# Altium PCB FRB_Simconex.PcbDoc
Units mil, origin at the board's own origin, x right, y up, seen from the top; angles counter-clockwise.
Board outline 4456.69 x 6944.88 mil, 2 copper layers (Top Layer, Bottom Layer); 101 components, 80 nets, 359 pads, 97 vias.
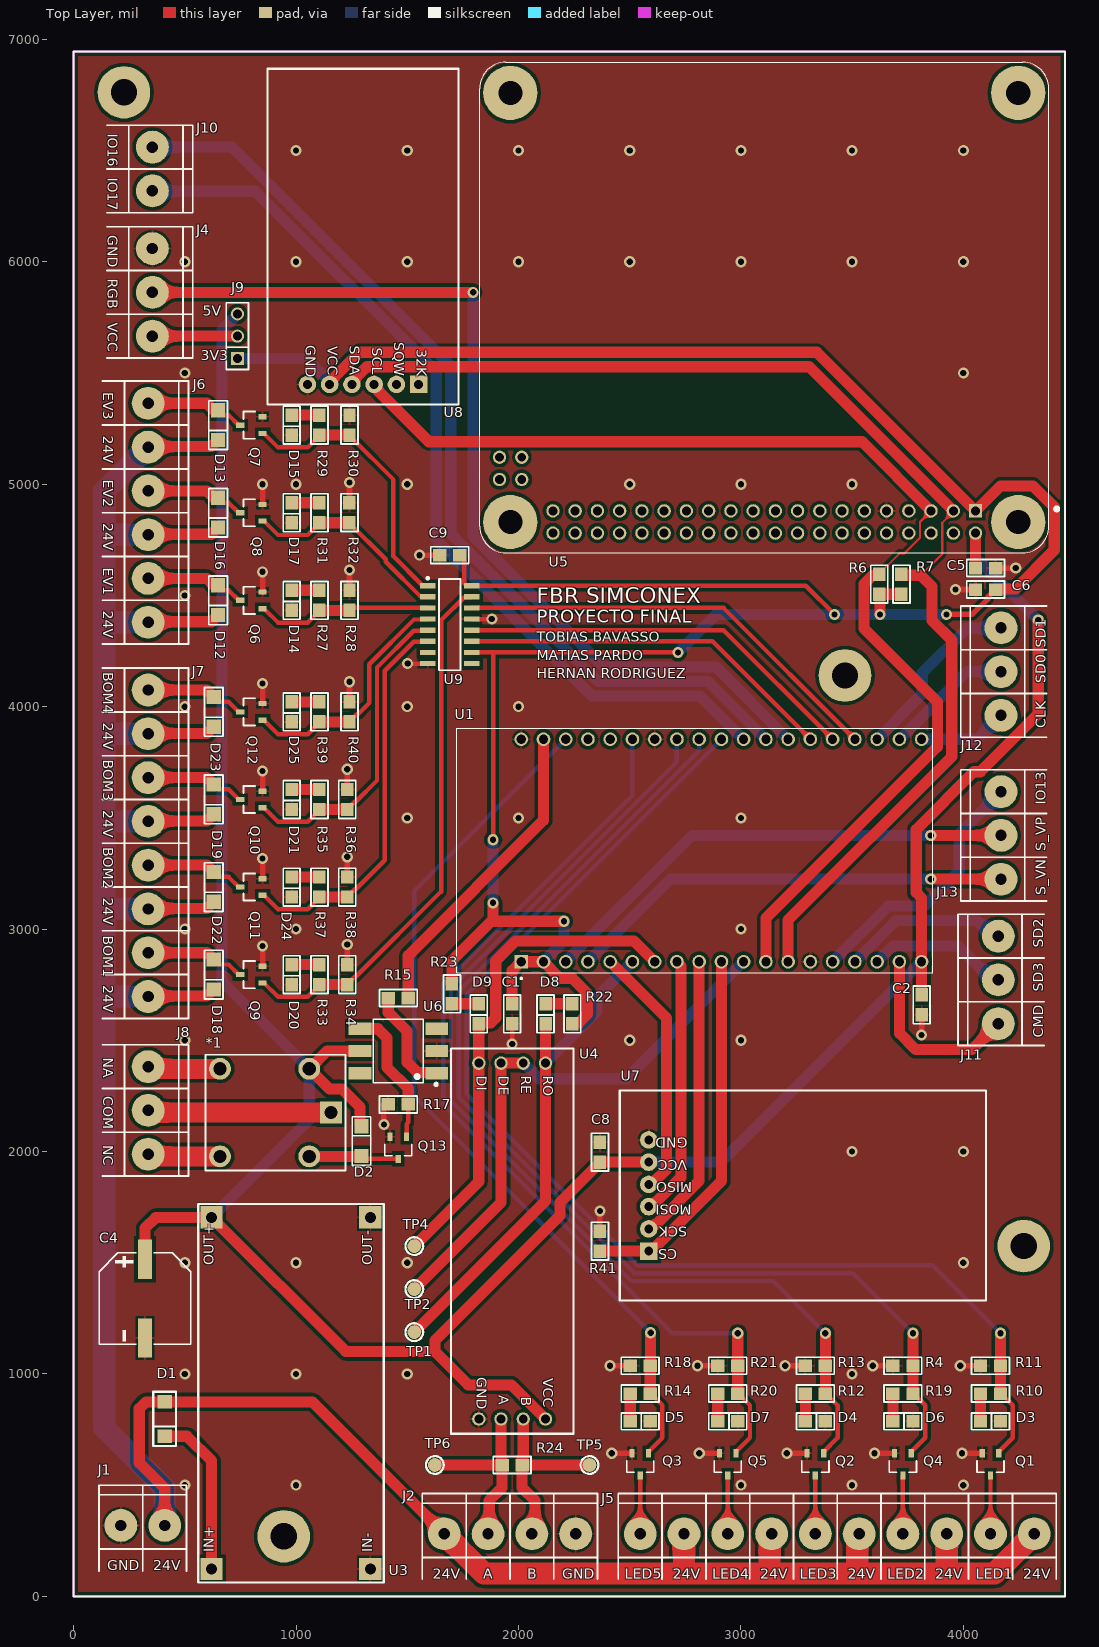
[diagram p0: Top Layer view]
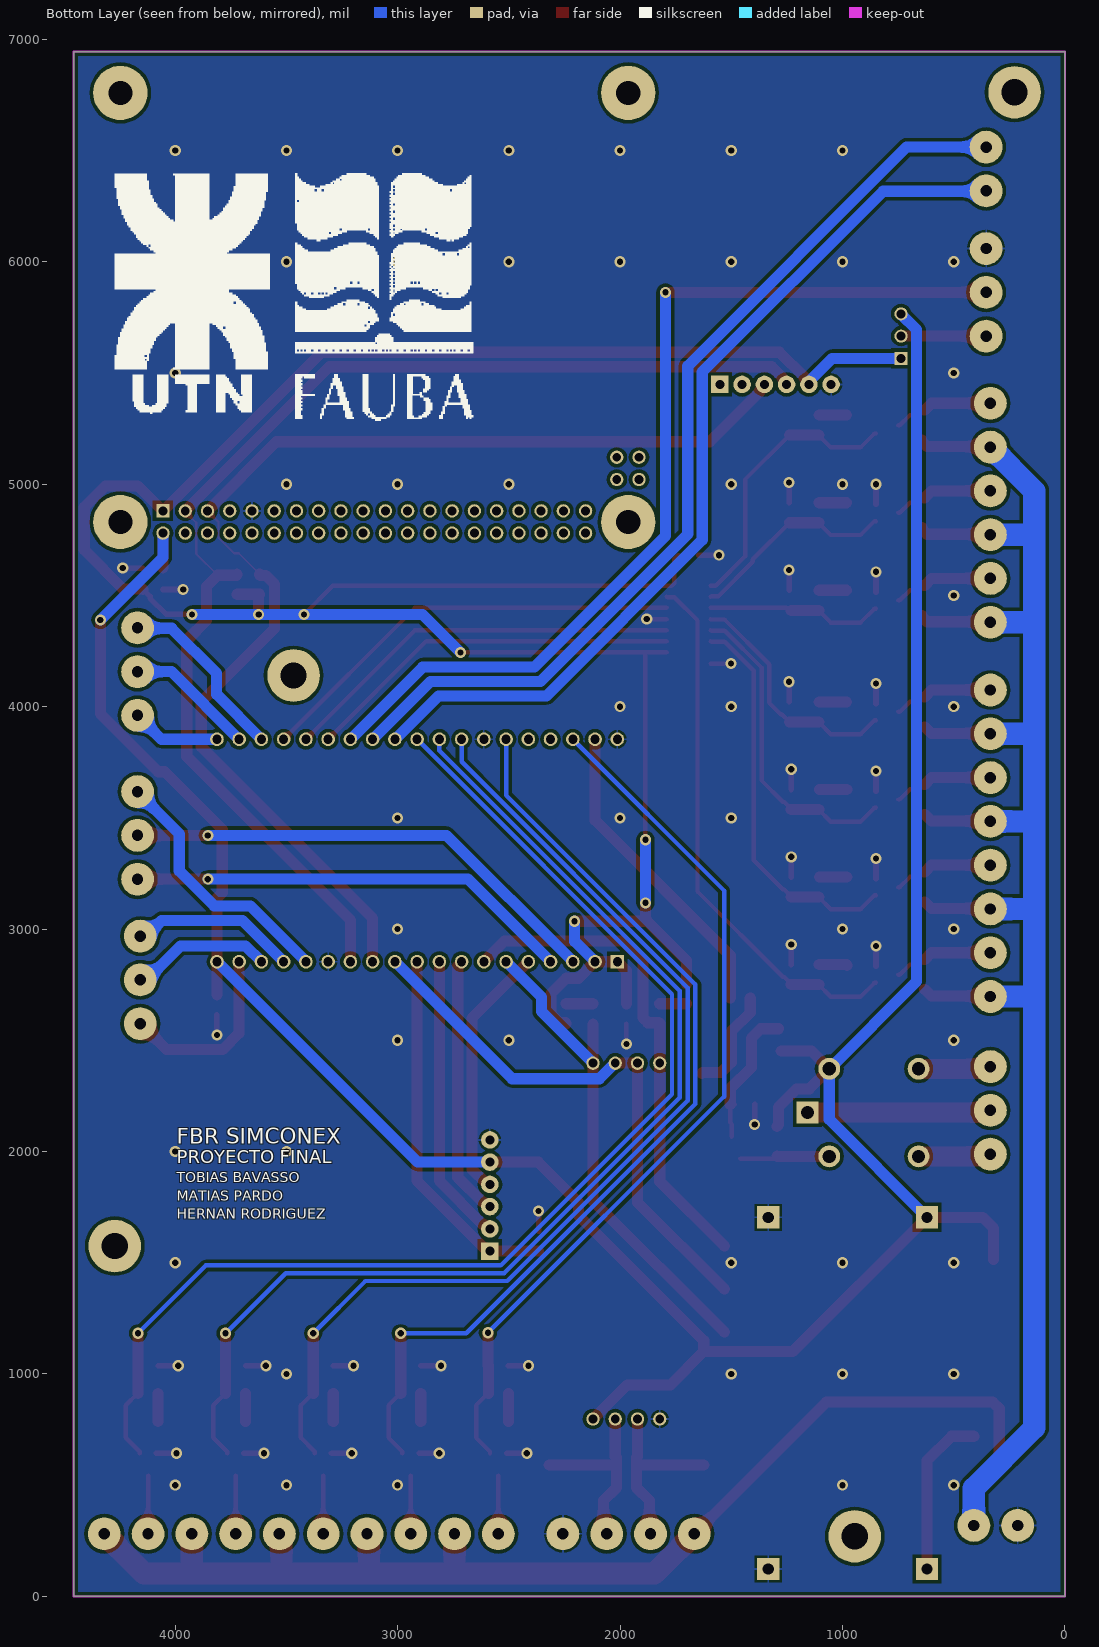
[diagram p1: Bottom Layer view, seen from below]

## Layer stack, top to bottom
Top Solder: solder mask 0.4, Solder Resist, Dk 3.5
Top Layer: signal copper 1.4
Dielectric 1: dielectric 12.6, FR-4, Dk 4.8
Bottom Layer: signal copper 1.4
Bottom Solder: solder mask 0.4, Solder Resist, Dk 3.5

## Board outline
0,0 0,6944.88 4456.69,6944.88 4456.69,0

## Design rules (kind name [scope] priority, off if disabled: settings)
Clearance [All] p1: gap=15 ignorepadtopadclearanceinfootprint=FALSE
PlaneConnect PlaneConnect_GND [InNet('GND') AND IsVia] p1: planeconnectstyle=Direct reliefexpansion=20 reliefentries=4 reliefconductorwidth=10 reliefairgap=10
PlaneConnect [All] p2: planeconnectstyle=Relief reliefexpansion=20 reliefentries=4 reliefconductorwidth=10 reliefairgap=10
PolygonConnect PolygonConnect_GND [InNet('GND') AND IsVia] p1: connectstyle=Direct reliefconductorwidth=10 reliefentries=4 polygonreliefangle="90 Angle" airgapwidth=10
PolygonConnect [All] p2: connectstyle=Relief reliefconductorwidth=10 reliefentries=4 polygonreliefangle="90 Angle" airgapwidth=10
RoutingVias [All] p1: holewidth=28 width=50 viastyle="Through Hole" minholewidth=28 minwidth=50 maxholewidth=28 maxwidth=50
SMDNeckDown [All] p1: percent=90.000
SMDToCorner [All] p1: distance=50000
SolderMaskExpansion [All] p1: expansion=4
Width [All] p1: maxlimit=200 minlimit=10 preferedwidth=50 minimp=50.000000 maximp=50.000000 favimp=50.000000
29 further rules are at their usual default settings.

## Classes and differential pairs
component class FRB_Simconex: C1 C2 J10 J11 J12 J13 R41 U1
component class Designator: D3 D4 D5 D6 D7 J4 J5 J9 Q1 Q2 Q3 Q4 Q5 R4 R10 R11 R12 R13 R14 R18 R19 R20 R21

## Components (designator, comment, footprint, x,y, rotation, side; value= is the part's Value field where it differs from the comment)
*1 "RELE SIMPLE" "RELE SERIE 964" 907.84,2175.05 r180 top
C1 "100nF" 0805 1971.6,2619.09 r270 top
C2 "100nF" 0805 3812.4,2659.45 r270 top
C4 "10uF" CAP.ELEC 321.01,1338.58 r270 top
C5 "100nF" 0805 4099.92,4623.03 r0 top
C6 "100nF" 0805 4099.92,4526.57 r180 top
C8 "100nF" 0805 2366.14,1997.17 r90 top
C9 "100nF" 0805 1690.94,4681.1 r180 top
D1 "6A10" DO214AC 409.46,797.24 r270 top
D2 "1N4148" 1206K 1294.29,2046.6 r90 top
D3 "LED" LED0805 4122.05,786.81 r0 top
D4 "LED" LED0805 3334.65,786.81 r0 top
D5 "LED" LED0805 2547.24,786.81 r0 top
D6 "LED" LED0805 3728.35,786.81 r0 top
D7 "LED" LED0805 2940.95,786.81 r0 top
D8 "LED" LED0805 2121.6,2619.09 r270 top
D9 "LED" LED0805 1821.6,2619.09 r270 top
D12 "1N4148" 1206K 649.33,4478.59 r270 top
D13 "1N4148" 1206K 649.33,5265.99 r270 top
D14 "LED" LED0805 980.32,4478.09 r270 top
D15 "LED" LED0805 980.32,5265.49 r270 top
D16 "1N4148" 1206K 649.33,4872.29 r270 top
D17 "LED" LED0805 980.32,4871.79 r270 top
D18 "1N4148" 1206K 630,2795.78 r270 top
D19 "1N4148" 1206K 630,3583.18 r270 top
D20 "LED" LED0805 980.32,2795.28 r270 top
D21 "LED" LED0805 980.32,3582.68 r270 top
D22 "1N4148" 1206K 630,3189.48 r270 top
D23 "1N4148" 1206K 630,3976.88 r270 top
D24 "LED" LED0805 980.32,3188.98 r270 top
D25 "LED" LED0805 980.32,3976.38 r270 top
J1 "BORNERA 2" BORNERA2 311.02,318.9 r270 top
J2 "BORNERA 4" BORNERA4 1961.61,281.26 r270 top
J4 "BORNERA 3" BORNERA3 354.33,5862.68 r180 top
J5 "BORNERA10" BORNERA10 3629.92,281.26 r270 top
J6 "BORNERA 6" BORNERA6 335,4872.44 r180 top
J7 "BORNERA 8" BORNERA8 335,3385.83 r180 top
J8 "BORNERA 3" BORNERA3 335,2185.04 r180 top
J9 "JUMPER" JUMPER3 736.65,5665.83 r90 top
J10 "BORNERA 2" BORNERA2 354.33,6417.32 r180 top
J11 "BORNERA 3" BORNERA3 4157.48,2771.65 r0 top
J12 "BORNERA 3" BORNERA3 4169.29,4157.48 r0 top
J13 "BORNERA 3" BORNERA3 4169.29,3421.26 r0 top
Q1 "UMW AO3400A" SOT23 4159.45,643.7 r180 top
Q2 "UMW AO3400A" SOT23 3372.05,643.7 r180 top
Q3 "UMW AO3400A" SOT23 2584.65,643.7 r180 top
Q4 "UMW AO3400A" SOT23 3765.75,643.7 r180 top
Q5 "UMW AO3400A" SOT23 2978.35,643.7 r180 top
Q6 "UMW AO3400A" SOT23 849.41,4440.69 r90 top
Q7 "UMW AO3400A" SOT23 849.41,5228.09 r90 top
Q8 "UMW AO3400A" SOT23 849.41,4834.39 r90 top
Q9 "UMW AO3400A" SOT23 849.41,2757.87 r90 top
Q10 "UMW AO3400A" SOT23 849.41,3545.28 r90 top
Q11 "UMW AO3400A" SOT23 849.41,3151.57 r90 top
Q12 "UMW AO3400A" SOT23 849.41,3938.98 r90 top
Q13 "UMW AO3400A" SOT23 1497.05,2066.93 r180 top
R4 "10k" 0805 3728.35,1036.81 r0 top
R6 "47k" 0805 3621.85,4550.44 r270 top
R7 "47k" 0805 3721.85,4550.44 r270 top
R10 "2k2" 0805 4122.05,911.81 r0 top
R11 "10k" 0805 4122.05,1036.81 r0 top
R12 "2k2" 0805 3334.65,911.81 r0 top
R13 "10k" 0805 3334.65,1036.81 r0 top
R14 "2k2" 0805 2547.24,911.81 r0 top
R15 "220" 0805 1459.65,2689.96 r180 top
R17 "10k" 0805 1459.65,2211.61 r0 top
R18 "10k" 0805 2547.24,1036.81 r0 top
R19 "2k2" 0805 3728.35,911.81 r0 top
R20 "2k2" 0805 2940.95,911.81 r0 top
R21 "10k" 0805 2940.95,1036.81 r0 top
R22 "1k" 0805 2242.42,2619.09 r270 top
R23 "1k" 0805 1700.79,2709.09 r90 top
R24 "120" 0805 1971.6,590.55 r0 top
R27 "2k2" 0805 1105.32,4478.09 r270 top
R28 "10k" 0805 1240.25,4478.09 r270 top
R29 "2k2" 0805 1105.32,5265.49 r270 top
R30 "10k" 0805 1240.25,5265.49 r270 top
R31 "2k2" 0805 1105.32,4871.79 r270 top
R32 "10k" 0805 1240.16,4872.05 r270 top
R33 "2k2" 0805 1105.32,2795.28 r270 top
R34 "10k" 0805 1230.32,2795.28 r270 top
R35 "2k2" 0805 1105.32,3582.68 r270 top
R36 "10k" 0805 1230.32,3582.68 r270 top
R37 "2k2" 0805 1105.32,3188.98 r270 top
R38 "10k" 0805 1230.32,3188.98 r270 top
R39 "2k2" 0805 1105.32,3976.38 r270 top
R40 "10k" 0805 1240.25,3976.38 r270 top
R41 "0R" 0805 2366.14,1597.17 r270 top
TP1 "TP" TPSMD 1531.5,1187.99 r0 top
TP2 "TP" TPSMD 1531.5,1381.4 r0 top
TP4 "TP" TPSMD 1531.5,1574.8 r0 top
TP5 "TP" TPSMD 2319.19,590.55 r180 top
TP6 "TP" TPSMD 1624.02,590.55 r0 top
U1 "ESP32" ESP32 2790.35,3353.35 r90 top
U3 "LM2596" "LM2596 DC TO DC CONVERTER MODULE" 977.05,913.5 r90 top
U4 "RS485-TTL CONVERTER" "TTL-RS485 CONVERTER" 1971.6,1597.24 r270 top
U5 "WHITEBOX T3" "Whitebox T3 for Raspberry Pi" 3080.71,5769.69 r180 top
U6 "4N25" SMD6 1459.65,2451.87 r180 top
U7 "SD CARD READER" "SD CARD" 2585.63,1802.17 r180 top
U8 "RTC" DS3231 1301.18,5448.82 r270 top
U9 "74HC595" SOIC16N 1690.94,4368.7 r0 top

## Footprints (in the part's own frame and the unit in brackets; to place one, negate y for a bottom-side part, rotate by r counter-clockwise, add the part's x,y. Pads: shape width x height; smd on the part's side, far side on the other; paste and mask are expansions set on the pad)
0805 [mil] "Pasivo 0805"
  rect 60x56 smd: 1(-45,0) 2(45,0)
  silkscreen extent -85,-38 85,38, body extent -40,-25 39,25, height 15
1206K [mil] "1206 con Katodo"
  rect 64x64 smd: 1(-67,0) 2(67,0)
  silkscreen extent -109,-42 110,42, body extent -72,-31 74,32, height 63
BORNERA2 [mm] "Bornera con Tornillos 5mm separación"
  round 3.75 hole 1.3: 1(0,2.5) 2(0,-2.5)
  silkscreen extent -4.6,-5 5.2,5, body extent -3.76,-4.89 3.94,5.61, height 10
BORNERA3 [mm] "Bornera con Tornillos 5mm separación"
  round 3.75 hole 1.3: 1(0,5) 2(0,0) 3(0,-5)
  silkscreen extent -4.6,-7.5 5.2,7.5, body extent -3.76,-7.39 3.94,8.11, height 10.05
BORNERA4 [mm] "Bornera con Tornillos 5mm separación"
  round 3.75 hole 1.3: 1(0,7.5) 2(0,2.5) 3(0,-2.5) 4(0,-7.5)
  silkscreen extent -4.6,-10 5.2,10, body extent -3.76,-9.89 3.94,10.61, height 10
BORNERA6 [mm] "Bornera con Tornillos 5mm separación"
  round 3.75 hole 1.3: 1(0,12.517) 2(0,7.517) 3(0,2.516) 4(0,-2.484) 5(0,-7.484) 6(0,-12.484)
  silkscreen extent -4.6,-15.02 5.2,15.02, body extent -3.76,-14.86 3.94,15.62, height 10.05
BORNERA8 [mm] "Bornera con Tornillos 5mm separación"
  round 3.75 hole 1.3: 1(0,17.5) 2(0,12.5) 3(0,7.5) 4(0,2.5) 5(0,-2.5) 6(0,-7.5) 7(0,-12.5) 8(0,-17.5)
  silkscreen extent -4.6,-20 5.2,20, body extent -3.76,-19.89 3.94,20.61, height 10
BORNERA10 [mm] "Bornera con Tornillos 5mm separación"
  round 3.75 hole 1.3: 1(0,17.5) 2(0,12.5) 3(0,7.5) 4(0,2.5) 5(0,-2.5) 6(0,-7.5) 7(0,-12.5) 8(0,-17.5) 9(0,-22.5) 10(0,-27.5)
  silkscreen extent -4.6,-30 5.2,20, body extent -3.76,-29.89 3.94,20.61, height 10
CAP.ELEC [mm]
  rect 4.5x1.65 smd: 1(-4.5,0) 2(4.5,0)
  silkscreen extent -5.23,-5.23 5.23,5.23, body extent -5.87,-5.15 5.72,5.15, height 10.9
DO214AC [mm]
  rect 1.52x1.68 smd: 1(-1.965,0) 2(1.965,0)
  silkscreen extent -3.11,-1.3 3.08,1.3, body extent -2.62,-1.3 2.58,1.3, height 1.15
DS3231 [mm]
  rect 2x2 / inner round 2 / far side rect 2x2 hole 1.02: 1(0,6.35)
  round 2 hole 1.02: 2(0,3.81) 3(0,1.27) 4(0,-1.27) 5(0,-3.81) 6(0,-6.35)
  silkscreen extent -36.04,-10.9 2.3,10.9, body extent -36.04,-10.9 2.3,10.9, height 9.63
ESP32 [mm]
  rect 1.56x1.56 / inner round 1.56 / far side rect 1.56x1.56 hole 1.04: J2-1(-12.7,19.76)
  round 1.56 hole 1.04: J2-2(-12.7,17.22) J2-3(-12.7,14.68) J2-4(-12.7,12.14) J2-5(-12.7,9.6) J2-6(-12.7,7.06) J2-7(-12.7,4.52) J2-8(-12.7,1.98) J2-9(-12.7,-0.56) J2-10(-12.7,-3.1) J2-11(-12.7,-5.64) J2-12(-12.7,-8.18) J2-13(-12.7,-10.72) J2-14(-12.7,-13.26) J2-15(-12.7,-15.8) J2-16(-12.7,-18.34) J2-17(-12.7,-20.88) J2-18(-12.7,-23.42) J2-19(-12.7,-25.96) J3-1(12.7,19.76) J3-2(12.7,17.22) J3-3(12.7,14.68) J3-4(12.7,12.14) J3-5(12.7,9.6) J3-6(12.7,7.06) J3-7(12.7,4.52) J3-8(12.7,1.98) J3-9(12.7,-0.56) J3-10(12.7,-3.1) J3-11(12.7,-5.64) J3-12(12.7,-8.18) J3-13(12.7,-10.72) J3-14(12.7,-13.26) J3-15(12.7,-15.8) J3-16(12.7,-18.34) J3-17(12.7,-20.88) J3-18(12.7,-23.42) J3-19(12.7,-25.96)
  silkscreen extent -14.7,-27.25 13.95,27.15, body extent -13.97,-27.9 13.97,27.2, height 6.69
JUMPER3 [mm]
  rect 1.5x1.5 hole 1.016: 1(-2.54,0)
  round 1.5 hole 1.016: 2(0,0) 3(2.54,0)
  silkscreen extent -3.81,-1.27 3.81,1.27, body extent -3.81,-1.3 3.81,1.27, height 16.15
LED0805 [mil] "LED SMD 0805"
  rect 60x56 smd: 1(-45,0) 2(45,0)
  silkscreen extent -85,-38 85,38, body extent -41,-18 41,18, height 33
"LM2596 DC TO DC CONVERTER MODULE" [mil]
  rect 100x100 hole 50: 0(-790.5,357) 1(-790.5,-357) 2(790.5,-357) 3(790.5,357)
  silkscreen extent -850,-417 851,417, body extent -850,-417 850,420, height 526
"RELE SERIE 964" [mm]
  round 2.5 hole 1.5: B1(-3.85,-5) B2(-3.85,5) NA1(6.35,-5) NC1(6.35,5)
  rect 2.5x2.5 hole 1.5: C1(-6.35,0)
  silkscreen extent -7.99,-6.6 7.99,6.6, body extent -7.85,-6.1 7.85,6.2, height 13.66
"SD CARD" [mm]
  rect 2x2 / inner round 2 / far side rect 2x2 hole 1.02: 1(0,6.35)
  round 2 hole 1.02: 2(0,3.81) 3(0,1.27) 4(0,-1.27) 5(0,-3.81) 6(0,-6.35)
  silkscreen extent -38.5,-12 3.3,12, body extent -38.5,-12 3.3,12, height 5.6
SMD6 [mil]
  rect 102.36x56 smd: 1(-172.44,100) 2(-172.44,0) 3(-172.44,-100) 4(172.44,-100) 5(172.44,0) 6(172.44,100)
  silkscreen extent -176,-144 112,156, body extent -206,-154 206,154, height 181
SOIC16N [mm]
  rect 1.75x0.6 smd: 1(-2.5,4.445) 2(-2.5,3.175) 3(-2.5,1.905) 4(-2.5,0.635) 5(-2.5,-0.635) 6(-2.5,-1.905) 7(-2.5,-3.175) 8(-2.5,-4.445) 9(2.5,-4.445) 10(2.5,-3.175) 11(2.5,-1.905) 12(2.5,-0.635) 13(2.5,0.635) 14(2.5,1.905) 15(2.5,3.175) 16(2.5,4.445)
  silkscreen extent -2.62,-5.2 1.22,5.42, body extent -2.92,-4.9 2.88,4.9, height 1.75
SOT23 [mm]
  rect 0.6x0.95 smd: 1(0,0) 2(0.95,2.55) 3(1.9,0)
  silkscreen extent -0.6,0.87 2.5,2.17, body extent -0.53,-0.25 2.47,2.88, height 1
TPSMD [mil]
  round 62 smd: 1(0,0)
  silkscreen extent -40,-40 40,40
"TTL-RS485 CONVERTER" [mil]
  round 60 hole 40: 0(-800,-150) 1(-800,-50) 2(-800,50) 3(-800,150) 4(800,150) 5(800,50) 6(800,-50) 7(800,-150)
  silkscreen extent -866,-276 866,276, body extent -868,-276 864,276, height 533
"Whitebox T3 for Raspberry Pi" [mil]
  rect 60x60 / inner round 60 / far side rect 60x60 hole 40: 1(-974.21,889.57)
  round 60 hole 40: 2(-974.21,989.57) 3(-874.21,889.57) 4(-874.21,989.57) 5(-774.21,889.57) 6(-774.21,989.57) 7(-674.21,889.57) 8(-674.21,989.57) 9(-574.21,889.57) 10(-574.21,989.57) 11(-474.21,889.57) 12(-474.21,989.57) 13(-374.21,889.57) 14(-374.21,989.57) 15(-274.21,889.57) 16(-274.21,989.57) 17(-174.21,889.57) 18(-174.21,989.57) 19(-74.21,889.57) 20(-74.21,989.57) 21(25.79,889.57) 22(25.79,989.57) 23(125.79,889.57) 24(125.79,989.57) 25(225.79,889.57) 26(225.79,989.57) 27(325.79,889.57) 28(325.79,989.57) 29(425.79,889.57) 30(425.79,989.57) 31(525.79,889.57) 32(525.79,989.57) 33(625.79,889.57) 34(625.79,989.57) 35(725.79,889.57) 36(725.79,989.57) 37(825.79,889.57) 38(825.79,989.57) 39(925.79,889.57) 40(925.79,989.57) 41(1165.95,648.5) 42(1165.95,748.5) 43(1065.95,648.5) 44(1065.95,748.5)
  round 244.09 hole 108.27: S1(-1165.94,939.57) S2(1117.52,939.57) S3(1117.52,-989.57) S4(-1165.94,-989.57)
  silkscreen extent -1347,-1127 1255,1077, body extent -1301,-1410 1258,1080, height 917

## Part data
C1 C2 C5 C6 C8 C9: library part CAP
C4: library part CAPPOL
D1 D2 D12 D13 D16 D18 D19 D22 D23: library part DIODO
J9: library part JUMPER3
Q1 Q2 Q3 Q4 Q5 Q6 Q7 Q8 Q9 Q10 Q11 Q12 Q13: library part "MOSFET N"
R4 R6 R7 R10 R11 R12 R13 R14 R15 R17 R18 R19 R20 R21 R22 R23 R24 R27 R28 R29 R30 R31 R32 R33 R34 R35 R36 R37 R38 R39 R40 R41: library part RES
U5: library part "WHITEBOX T3 FOR RASPBERRY PI"
U7: library part SD_CARD
U8: library part DS3231

## Free pads (board coordinates)
  round 236.22 hole 118.11: 9(226.38,6761.81) 9(944.88,269.84) 9(3467.87,4140.07) 9(4271.65,1574.8)

## Via types
v1: diameter 50, hole 28, Top Layer to Bottom Layer, tented both sides, 50 vias
v2: diameter 50, hole 28, Top Layer to Bottom Layer, 47 vias

## Nets (pads, with @x,y where several pads share a name; then routed paths per layer and width w, separated by ;. In a path a pad name is that pad's centre, name@x,y a point inside that pad or via, vN(x,y) a via of type N, cw(c..) or ccw(c..) an arc to the next point about the centre after c; other vN are vias at no path point)
3V3: C1.1 C6.1 C9.1 J9.1 R6.2 R7.2 R22.2 R23.2 U1.J2-1 U1.J2-2 U5.1 U8.5 U9.10 U9.16 | length 12092.1
  Top Layer w20: C9.1 1737.94,4681.1 1755.94,4663.1 1755.94,4554.49 1766.73,4543.7 3292.08,4543.7 v2(3421.26,4414.52) ; U9.10 1885.83,4243.7 ; v2(1885.83,3401.57) 1885.83,4243.7 ; v2(2716.93,4243.7) 1885.83,4243.7
  Top Layer w25: v2(3924.06,4414.52) 4039.76,4414.52 4112.42,4487.18 4112.42,4496.07 4142.92,4526.57 C6.1
  Top Layer w50: U8.5 1151.18,5456.6 1171.81,5477.23 1171.81,5481.69 1283.3,5593.19 3341.85,5593.19 U5.1 4166.97,4992.17 4313.78,4992.17 4408.7,4897.24 4408.7,4704.16 4234.12,4529.57 4147.92,4529.57 C6.1 ; R23.2 1701.61,2754.92 1701.61,2859.09 1877.95,3035.43 ; v2(1885.83,3118.11) 1885.83,3043.31 1877.95,3035.43 ; C1.1 1971.6,2812.55 U1.J2-1 U1.J2-2 2186.84,2778.91 2242.18,2778.91 2310.42,2710.66 2310.42,2617.53 2271.99,2579.09 2245.42,2579.09 2242.42,2576.09 R22.2 ; v2(2204.42,3035.43) 1877.95,3035.43 ; v2(3624.85,4414.52) 3624.85,4502.44 R6.2 R7.2
  Bottom Layer w50: J9.1 1046.42,5565.83 1145.68,5466.56 1145.68,5454.32 U8.5 ; v2(1885.83,3118.11) v2(1885.83,3401.57) ; U1.J2-2 2204.42,2945.37 v2(2204.42,3035.43) ; v2(2716.93,4243.7) 2887.75,4414.52 v2(3924.06,4414.52)
5V: *1.B1 C2.1 C4.1 C5.1 C8.1 D2.2 J9.3 U1.J2-19 U3.3 U4.4 U5.2 U6.5 U7.5 | length 12992.2
  Top Layer w50: C4.1 321.01,1655.66 369.36,1704 U3.3 1223.66,1100.39 1624.02,1100.39 ; U6.5@1276.08,2451.87 1139.38,2451.87 *1.B1 1149.7,2281.61 1206.27,2281.61 1287.29,2200.59 1287.29,2120.6 D2.2 ; U4.4 1968.65,950.2 1774.21,950.2 1624.02,1100.39 ; U7.5 C8.1 2366.14,1950.17 2186.6,1770.63 2186.6,1712.98 1624.02,1150.39 1624.02,1100.39 ; C2.1 U1.J2-19 3812.4,3140.28 3788.35,3164.34 3788.35,3448.18 4047.75,3707.59 4077.21,3707.59 4336.61,3966.99 v2(4336.61,4389.76) ; C5.1 U5.2
  Bottom Layer w50: U3.3 1059.41,2143.37 *1.B1 667.13,2764.18 667.13,5694.63 736.65,5764.15 J9.3 ; U7.5 2911.22,1952.17 U1.J2-19 ; U5.2 4054.92,4671.46 v2(4336.61,4389.76)
24V: D1.2 U3.0 | length 743.3
  Top Layer w50: D1.2 510.43,719.88 620.05,610.27 U3.0
ACAL: Q11.1 R37.2 R38.2 U9.6 | length 1769.7
  Top Layer w20: Q11.1 856.3,3151.57 918.9,3088.98 1052.32,3088.98 1105.32,3141.98 R37.2 ; R38.2 1230.32,3145.98 1263.32,3178.98 1268.67,3178.98 1398.97,3309.27 1398.97,4161.59 1529.27,4291.89 1590.71,4291.89 U9.6
  Top Layer w50: R37.2 R38.2
AFRI: Q9.1 R33.2 R34.2 U9.15 | length 2427.4
  Top Layer w20: Q9.1 856.3,2757.87 918.9,2695.28 1052.31,2695.28 1105.32,2748.28 R33.2 ; R34.2 1230.32,2752.28 1263.32,2785.28 1268.67,2785.28 1651.97,3168.57 1651.97,4387.91 1755.94,4491.89 1787.56,4491.89 U9.15
  Top Layer w50: R33.2 R34.2
AIRE: R15.1 U1.J3-2 | length 1415.1
  Top Layer w50: R15.1 1504.65,2881.61 2112.4,3489.37 U1.J3-2
ALIM: Q10.1 R35.2 R36.2 U9.5 | length 1425.7
  Top Layer w20: Q10.1 856.3,3545.28 918.9,3482.68 1052.32,3482.68 1105.32,3535.68 R35.2 ; R36.2 1230.32,3539.68 1263.32,3572.68 1268.67,3572.68 1363.97,3667.98 1363.97,4176.09 1529.77,4341.89 1590.71,4341.89 U9.5
  Top Layer w50: R35.2 R36.2
ASUC: Q12.1 R39.2 R40.2 U9.4 | length 1086.3
  Top Layer w20: Q12.1 856.3,3938.98 918.9,3876.38 1052.32,3876.38 1105.32,3929.38 R39.2 ; R40.2@1237.25,3931.38 1238.25,3931.38 1273.25,3966.38 1278.61,3966.38 1328.97,4016.74 1328.97,4190.59 1530.27,4391.89 1590.71,4391.89 U9.4
  Top Layer w50: R39.2 R40.2@1237.25,3931.38
BOMBA_1: D18.1 J7.2 Q9.2 | length 454.8
  Top Layer w20: D18.1 652,2840.78 696.63,2840.78 742.13,2795.28 Q9.2
  Top Layer w50: J7.2 599.07,2893.7 D18.1
BOMBA_2: D22.1 J7.4 Q11.2 | length 454.8
  Top Layer w20: D22.1 652,3234.48 696.63,3234.48 742.13,3188.98 Q11.2
  Top Layer w50: J7.4 599.07,3287.4 D22.1
BOMBA_3: D19.1 J7.6 Q10.2 | length 454.8
  Top Layer w20: D19.1 652,3628.18 696.63,3628.18 742.13,3582.68 Q10.2
  Top Layer w50: J7.6 599.07,3681.1 D19.1
BOMBA_4: D23.1 J7.8 Q12.2 | length 454.8
  Top Layer w20: D23.1 652,4021.88 696.63,4021.88 742.13,3976.38 Q12.2
  Top Layer w50: J7.8 599.07,4074.8 D23.1
C1: *1.C1 J8.2 | length 818.5
  Top Layer w90: J8.2@339.29,2175.05 *1.C1
CLOCK: U1.J3-14 U9.11 | length 1705.4
  Top Layer w20: U9.11 2872.05,4293.7 U1.J3-14
CS: R41.2 U1.J2-10 U7.1 | length 1663.2
  Top Layer w50: R41.2 U7.1 2600,1566.54 2612.25,1566.54 2912.4,1866.69 U1.J2-10
DATA: U1.J3-16 U9.14 | length 1967.6
  Top Layer w20: U9.14 2922.05,4443.7 U1.J3-16
DE_RE: TP2.1 U1.J2-11 U4.1 U4.2 | length 2515.1
  Top Layer w50: TP2.1 1921.6,1771.51 U4.1 U4.2
  Bottom Layer w50: U4.2 2022.61,2397.24 2092.61,2327.24 2486.3,2327.24 U1.J2-11
EV_1: Q6.1 R27.2 R28.2 U9.3 | length 787.5
  Top Layer w20: Q6.1 856.3,4440.69 918.9,4378.09 1052.31,4378.09 1105.32,4431.09 R27.2 ; R28.2 1250.86,4443.7 U9.3
  Top Layer w50: R27.2 R28.2@1230.31,4433.09
EV_2: Q8.1 R31.2 R32.2 U9.2 | length 936.1
  Top Layer w20: Q8.1 856.3,4834.39 918.9,4771.79 1052.32,4771.79 1105.32,4824.79 R31.2 ; R32.2@1238.41,4826.79 1402.94,4662.27 1402.94,4651.67 1559.09,4495.51 1590.71,4495.51 U9.2
  Top Layer w50: R31.2 1105.44,4826.92 1237.16,4826.92 R32.2@1237.16,4826.79
EV_3: Q7.1 R29.2 R30.2 U9.1 | length 1273.7
  Top Layer w20: Q7.1 856.3,5228.09 918.9,5165.49 1052.32,5165.49 1105.32,5218.49 R29.2 ; R30.2 1240.25,5218.49 1437.94,5020.81 1437.94,4675.65 1569.88,4543.7 U9.1
  Top Layer w50: R29.2 R30.2@1237.25,5220.49
EVAL_1: D12.1 J6.2 Q6.2 | length 454.8
  Top Layer w20: D12.1@630,4545.59 652,4523.59 696.63,4523.59 742.13,4478.09 Q6.2
  Top Layer w50: J6.2 599.07,4576.52 D12.1@630,4545.59
EVAL_2: D16.1 J6.4 Q8.2 | length 454.8
  Top Layer w20: D16.1@630,4939.29 652,4917.29 696.63,4917.29 742.13,4871.79 Q8.2
  Top Layer w50: J6.4 599.07,4970.22 D16.1@630,4939.29
EVAL_3: D13.1 J6.6 Q7.2 | length 454.8
  Top Layer w20: D13.1@630,5332.99 652,5310.99 696.63,5310.99 742.13,5265.49 Q7.2
  Top Layer w50: J6.6 599.07,5363.92 D13.1@630,5332.99
GND: C1.2 C2.2 C4.2 C5.2 C6.2 C8.2 C9.2 D3.2 D4.2 D5.2 D6.2 D7.2 D14.2 D15.2 D17.2 D20.2 D21.2 D24.2 D25.2 J1.2 J2.1 J4.3 Q1.3 Q2.3 Q3.3 Q4.3 Q5.3 Q6.3 Q7.3 Q8.3 Q9.3 Q10.3 Q11.3 Q12.3 Q13.3 R4.1 R11.1 R13.1 R17.1 R18.1 R21.1 R28.1 R30.1 R32.1 R34.1 R36.1 R38.1 R40.1 R41.1 U1.J2-14 U1.J3-1 U1.J3-7 U3.1 U3.2 U4.7 U5.9 U6.2 U7.6 U8.6 U9.8 U9.13 | length 2812.7
  Top Layer w20: v2(1501.79,4193.7) U9.8 ; U9.13 v2(1880.1,4393.7) ; v2(1971.6,2483.36) C1.2
  Top Layer w25: Q9.3 v2(849.41,2923.41) ; Q11.3 v2(849.41,3317.11) ; Q10.3 v2(849.41,3710.81) ; Q12.3 v2(849.41,4104.51) ; Q6.3 v2(849.41,4606.22) ; Q8.3 v2(849.41,4999.93) ; R34.1 v2(1230.32,2931.01) ; R38.1 v2(1230.32,3324.71) ; R36.1 v2(1230.32,3718.41) ; R32.1 v2(1240.16,5007.78) ; R40.1 v2(1240.25,4112.11) ; R28.1 v2(1240.25,4613.82) ; v2(1394.96,2120.88) R17.1@1394.96,2211.61 ; v2(1555.21,4681.1) C9.2 ; R41.1 v2(2366.14,1732.9) ; v2(2411.51,1036.81) R18.1 ; v2(2419.11,643.7) Q3.3 ; v2(2805.21,1036.81) R21.1 ; v2(2812.81,643.7) Q5.3 ; v2(3198.91,1036.81) R13.1 ; v2(3206.51,643.7) Q2.3 ; v2(3592.61,1036.81) R4.1 ; v2(3600.21,643.7) Q4.3 ; v2(3812.4,2523.72) C2.2 ; v2(3964.19,4526.57) C6.2 ; v2(3986.32,1036.81) R11.1 ; v2(3993.91,643.7) Q1.3 ; C5.2 v2(4235.65,4623.03)
  other v1: 500,500 1000,500 3000,500 3500,500 4000,500 500,1000 1000,1000 1500,1000 3500,1000 500,1500 1000,1500 1500,1500 4000,1500 3500,2000 4000,2000 500,2500 2500,2500 3000,2500 500,3000 1000,3000 3000,3000 1500,3500 2000,3500 3000,3500 500,4000 1500,4000 2000,4000 500,4500 1000,5000 1500,5000 2500,5000 3000,5000 3500,5000 500,5500 4000,5500 500,6000 1000,6000 1500,6000 2000,6000 2500,6000 3000,6000 3500,6000 4000,6000 1000,6500 1500,6500 2000,6500 2500,6500 3000,6500 3500,6500 4000,6500
IO13: J13.1 U1.J2-15 | length 1173.1
  Bottom Layer w50: U1.J2-15 3662.44,3103.39 3824.25,3103.39 3981.56,3260.7 3981.56,3427.65 4169.29,3615.38 J13.1
LATCH: U1.J3-15 U9.12 | length 1826.1
  Top Layer w20: U9.12 2922.05,4343.7 U1.J3-15
LED1: J5.2 Q1.2 | length 262
  Top Layer w20: J5.2 Q1.2
LED2: J5.4 Q4.2 | length 262
  Top Layer w20: J5.4 Q4.2
LED3: J5.6 Q2.2 | length 262
  Top Layer w20: J5.6 Q2.2
LED4: J5.8 Q5.2 | length 262
  Top Layer w20: J5.8 Q5.2
LED5: J5.10 Q3.2 | length 262
  Top Layer w20: J5.10 Q3.2
LED_1: Q1.1 R10.2 R11.2 U1.J3-10 | length 5505.4
  Top Layer w20: Q1.1 4159.45,650.59 4222.05,713.19 4222.05,858.81 4169.05,911.81 R10.2
  Top Layer w50: R10.2 R11.2 v2(4167.05,1183.04)
  Bottom Layer w20: U1.J3-10 1766.6,2707.55 1766.6,2257.1 2535.9,1487.8 3862.29,1487.8 v2(4167.05,1183.04)
LED_2: Q4.1 R4.2 R19.2 U1.J3-9 | length 5128.3
  Top Layer w20: Q4.1 3765.75,650.59 3828.35,713.19 3828.35,858.81 3775.35,911.81 R19.2
  Top Layer w50: R19.2 R4.2 v2(3773.35,1183.04)
  Bottom Layer w20: U1.J3-9 2812.4,3802.84 1731.6,2722.05 1731.6,2242.6 2521.41,1452.8 3503.59,1452.8 v2(3773.35,1183.04)
LED_3: Q2.1 R12.2 R13.2 U1.J3-8 | length 4751.1
  Top Layer w20: Q2.1 3372.05,650.59 3434.65,713.19 3434.65,858.81 3381.65,911.81 R12.2
  Top Layer w50: R12.2 R13.2 v2(3379.65,1183.04)
  Bottom Layer w20: U1.J3-8 2712.4,3752.34 1696.6,2736.54 1696.6,2228.1 2506.91,1417.8 3144.89,1417.8 v2(3379.65,1183.04)
LED_4: Q5.1 R20.2 R21.2 U1.J3-6 | length 4332.6
  Top Layer w20: Q5.1 2978.35,650.59 3040.95,713.19 3040.95,858.81 2987.95,911.81 R20.2
  Top Layer w50: R20.2 R21.2 v2(2985.95,1183.04)
  Bottom Layer w20: U1.J3-6 2512.4,3601.84 1661.6,2751.04 1661.6,2213.6 2692.17,1183.04 v2(2985.95,1183.04)
LED_5: Q3.1 R14.2 R18.2 U1.J3-3 | length 3981.9
  Top Layer w20: Q3.1 2584.65,650.59 2647.24,713.19 2647.24,858.81 2594.24,911.81 R14.2
  Top Layer w50: R14.2 R18.2 2594.24,1038.81 v2(2594.24,1185.04)
  Bottom Layer w20: U1.J3-3 1532.4,3173.35 1532.4,2246.88 v2(2594.24,1185.04)
LED_RGB: J4.2 U1.J3-13 | length 4331.7
  Top Layer w50: J4.2 v2(1796.26,5862.68)
  Bottom Layer w50: v2(1796.26,5862.68) 1796.26,4767.88 2385.44,4178.7 2887.05,4178.7 U1.J3-13
MISO: U1.J2-5 U7.4 | length 1145.9
  Top Layer w50: U1.J2-5 2665,2600.75 2665,1919.29 2603.38,1857.66 2591.13,1857.66 U7.4
MOSI: U1.J2-8 U7.3 | length 1175.4
  Top Layer w50: U7.3 2593.41,1752.17 2614.04,1772.8 2618.51,1772.8 2730,1884.29 2730,2832.66 2712.4,2850.26 U1.J2-8
NA1: *1.NA1 J8.3 | length 312.8
  Top Layer w90: J8.3@344.99,2371.9 *1.NA1
NC1: *1.NC1 J8.1 | length 312.8
  Top Layer w90: J8.1@344.99,1978.2 *1.NC1
Net*1_B2: *1.B2 D2.1 Q13.2 | length 406.2
  Top Layer w20: D2.1 1307.35,1966.54 Q13.2
  Top Layer w50: *1.B2 1292.89,1978.2 D2.1
NetD3_1: D3.1 R10.1 | length 125
  Top Layer w50: D3.1 R10.1
NetD4_1: D4.1 R12.1 | length 125
  Top Layer w50: D4.1 R12.1
NetD5_1: D5.1 R14.1 | length 125
  Top Layer w50: D5.1 R14.1
NetD6_1: D6.1 R19.1 | length 125
  Top Layer w50: D6.1 R19.1
NetD7_1: D7.1 R20.1 | length 125
  Top Layer w50: D7.1 R20.1
NetD8_1: D8.1 R22.1 | length 120.8
  Top Layer w50: D8.1 R22.1
NetD9_1: D9.1 R23.1 | length 120.8
  Top Layer w50: R23.1 D9.1
NetD14_1: D14.1 R27.1 | length 122.3
  Top Layer w50: D14.1@982.99,4523.09 R27.1
NetD15_1: D15.1 R29.1 | length 122.3
  Top Layer w50: D15.1@982.99,5310.49 R29.1
NetD17_1: D17.1 R31.1 | length 122.3
  Top Layer w50: D17.1@982.99,4916.79 R31.1
NetD20_1: D20.1 R33.1 | length 127.5
  Top Layer w50: D20.1@979.33,2836.61 982.99,2840.28 R33.1
NetD21_1: D21.1 R35.1 | length 122.3
  Top Layer w50: D21.1 R35.1@1102.64,3627.68
NetD24_1: D24.1 R37.1 | length 122.3
  Top Layer w50: D24.1 R37.1@1102.64,3233.98
NetD25_1: D25.1 R39.1 | length 122.3
  Top Layer w50: D25.1@982.99,4021.38 R39.1
NetJ2_2: J2.2 R24.2 TP5.1 U4.5 | length 846.9
  Top Layer w50: U4.5 2021.6,628.55 2016.6,623.55 R24.2 ; J2.2@2080.02,281.26 2074.9,286.38 2074.9,430.08 2016.6,488.38 R24.2 ; TP5.1 R24.2
NetJ2_3: J2.3 R24.1 TP6.1 U4.6 | length 846.9
  Top Layer w50: TP6.1 R24.1 ; J2.3 1868.31,286.38 1868.31,430.08 1926.6,488.38 R24.1 ; U4.6 1921.6,628.55 1926.6,623.55 R24.1
NetJ4_1: J4.1 J9.2 | length 382.3
  Top Layer w50: J4.1 J9.2
NetJ10_1: J10.1 U1.J3-11 | length 4121.6
  Bottom Layer w50: J10.1 356.26,6316.97 818.34,6316.97 1630.55,5504.76 1630.55,4749.74 2331.59,4048.7 2817.05,4048.7 U1.J3-11
NetJ10_2: J10.2 U1.J3-12 | length 4303.2
  Bottom Layer w50: J10.2 711.48,6515.75 1695.55,5531.68 1695.55,4776.66 2358.51,4113.7 2852.05,4113.7 U1.J3-12
NetJ11_1: J11.1 U1.J2-16 | length 750.7
  Bottom Layer w50: U1.J2-16 3697.44,3038.39 4061.17,3038.39 4131.06,2968.5 J11.1
NetJ11_2: J11.2 U1.J2-17 | length 637.5
  Bottom Layer w50: U1.J2-17 3683.11,2924.06 3975.91,2924.06 4128.31,2771.65 J11.2
NetJ11_3: J11.3 U1.J2-18 | length 845
  Top Layer w50: U1.J2-18 3712.4,2531.79 3785.48,2458.72 4038.66,2458.72 4154.75,2574.8 J11.3
NetJ12_1: J12.1 U1.J3-17 | length 820.5
  Bottom Layer w50: U1.J3-17 3815.06,4056.01 3815.06,4151.78 4015.68,4352.4 4167.36,4352.4 J12.1
NetJ12_2: J12.2 U1.J3-18 | length 582.9
  Bottom Layer w50: U1.J3-18 4016.54,4157.48 J12.2
NetJ12_3: J12.3 U1.J3-19 | length 401.3
  Bottom Layer w50: U1.J3-19 4062.01,3853.35 J12.3
NetQ13_1: Q13.1 R17.2 U6.4 | length 633.5
  Top Layer w20: R17.2@1484.96,2211.61 1504.65,2191.93 1504.65,2130.63 1497.05,2123.03 Q13.1
  Top Layer w50: U6.4 1367.7,2551.87 1409.45,2510.12 1409.45,2377.95 1504.65,2282.76 R17.2
NetR15_2: R15.2 U6.1 | length 477
  Top Layer w50: R15.2 1414.65,2625.71 1499.02,2541.34 1499.02,2401.57 1545.72,2354.87 1629.09,2354.87 U6.1
NetU9_7: U9.7
RXD0: U1.J3-5
RXD1: D8.2 TP1.1 U1.J2-6 U4.3 | length 2232.6
  Top Layer w50: TP1.1 2121.6,1778.1 U4.3 D8.2
  Bottom Layer w50: U4.3@2132.85,2408.49 2353.06,2628.7 2353.06,2694 U1.J2-6
S_VN: J13.3 U1.J2-4 | length 2010.6
  Top Layer w50: v2(3853.35,3224.41) J13.3
  Bottom Layer w50: U1.J2-4 2683.46,3224.41 v2(3853.35,3224.41)
S_VP: J13.2 U1.J2-3 | length 2192.1
  Top Layer w50: v2(3853.35,3421.26) J13.2
  Bottom Layer w50: U1.J2-3 2780.31,3421.26 v2(3853.35,3421.26)
SCK: U1.J2-9 U7.2 | length 1302.3
  Top Layer w50: U7.2 2593.41,1652.17 2614.04,1672.8 2618.51,1672.8 2812.4,1866.69 U1.J2-9
SCL: R6.1 U1.J2-12 U5.5 U8.3 | length 5381.5
  Top Layer w10: R6.1 3621.85,4597.44 3714.33,4689.93 3735.44,4689.93 3804.92,4759.41 3804.92,4830.12 U5.5
  Top Layer w50: U8.3 1351.18,5441.04 1371.81,5420.41 1371.81,5415.94 1596.57,5191.18 3543.86,5191.18 U5.5 ; U1.J2-12 3112.4,3049.25 3883.11,3819.96 3883.11,4021.35 3553.85,4350.61 3553.85,4552.01 3592.28,4590.44 3618.85,4590.44 3621.85,4593.44 R6.1
SDA: R7.1 U1.J2-13 U5.3 U8.4 | length 5552.1
  Top Layer w10: 3809.06,4590.55 3904.92,4686.42 3904.92,4827.06 3954.92,4877.06 U5.3
  Top Layer w50: U8.4 1251.18,5456.6 1271.81,5477.23 1271.81,5481.69 1318.3,5528.19 3306.85,5528.19 U5.3 ; U1.J2-13 3212.4,3040.16 3948.11,3775.87 3948.11,4298.55 3859.06,4387.6 3859.06,4540.54 3809.06,4590.55 3724.85,4590.55 3721.85,4593.55 R7.1
TXD0: U1.J3-4
TXD1: D9.2 TP4.1 U1.J2-7 U4.0 | length 2253.2
  Top Layer w50: TP4.1 1821.6,1864.91 U4.0 D9.2 1821.6,2576.09 1824.6,2579.09 1875.35,2579.09 1897.64,2601.38 1897.64,2856.57 1986.94,2945.87 2519.88,2945.87 U1.J2-7
Vin: D1.1 D12.2 D13.2 D16.2 D18.2 D19.2 D22.2 D23.2 J1.1 J2.4 J5.1 J5.3 J5.5 J5.7 J5.9 J6.1 J6.3 J6.5 J7.1 J7.3 J7.5 J7.7 | length 14155.4
  Top Layer w50: J7.1 336.93,2698.78 600,2698.78 629,2727.78 D18.2@630,2727.78 ; J7.3 336.93,3092.48 600,3092.48 629,3121.48 D22.2@630,3121.48 ; J7.5 336.93,3486.18 600,3486.18 629,3515.18 D19.2@630,3515.18 ; J7.7 336.93,3879.88 600,3879.88 629,3908.88 D23.2@630,3908.88 ; J6.1 336.93,4381.6 619.34,4381.6 642.33,4404.59 D12.2@642.33,4410.59 ; J6.3 336.93,4775.3 619.34,4775.3 642.33,4798.29 D16.2@642.33,4804.29 ; J6.5 336.93,5169 619.34,5169 642.33,5191.99 D13.2@642.33,5197.99 ; J1.1 409.45,486.22 295.28,600.39 295.28,845.32 324.57,874.61 D1.1 1072.99,874.61 J2.4
  Top Layer w100: J2.4 1845.24,102.36 2744.09,102.36 ; J5.9 2744.09,102.36 ; J5.7 3128.68,272.14 3128.68,105.06 3125.98,102.36 ; J5.5 3522.64,272.4 3522.64,102.36 ; J5.3 3925.2,102.36 ; J5.1 4140,102.36 3925.2,102.36 ; 2744.09,102.36 3125.98,102.36 ; 3125.98,102.36 3522.64,102.36 ; 3522.64,102.36 3925.2,102.36
  Bottom Layer w100: J7.1 137.8,2696.85 ; J7.3 137.8,3090.55 ; J7.5 137.8,3484.25 ; J7.7 137.8,3877.95 ; J6.1 137.8,4379.67 ; J6.3 137.8,4773.37 ; J6.5 137.8,4969.86 137.8,4773.37 ; J1.1 409.45,486.22 137.8,757.87 137.8,2696.85 ; 137.8,2696.85 137.8,3090.55 ; 137.8,3090.55 137.8,3484.25 ; 137.8,3484.25 137.8,3877.95 ; 137.8,3877.95 137.8,4379.67 ; 137.8,4379.67 137.8,4773.37
pads on no net: U5.4 U5.6 U5.7 U5.8 U5.10 U5.11 U5.12 U5.13 U5.14 U5.15 U5.16 U5.17 U5.18 U5.19 U5.20 U5.21 U5.22 U5.23 U5.24 U5.25 U5.26 U5.27 U5.28 U5.29 U5.30 U5.31 U5.32 U5.33 U5.34 U5.35 U5.36 U5.37 U5.38 U5.39 U5.40 U5.41 U5.42 U5.43 U5.44 U5.S1 U5.S2 U5.S3 U5.S4 U6.3 U6.6 U8.1 U8.2 U9.9

## Polygon pours and split planes (outlines as drawn)
GND on Bottom Layer "Bottom Layer-No Net" (solid, remove dead copper, pour order 0): 0,0 0,6944.88 4456.69,6944.88 4456.69,0
GND on Top Layer "Top Layer-No Net" (solid, remove dead copper, pour order 2): 0,0 4456.69,0 4456.69,6944.88 0,6944.88

## Keep-outs
Keep-Out Layer:
  the board outline again, w10

## Silkscreen, mask and mechanical layers (free items; w line width, h text height)
Top Overlay:
  the board outline again, w10
  text "IO16" at 137.44,6574.73 h80 r270
  text "IO17" at 137.44,6377.88 h80 r270
  text "GND" at 137.44,6120.43 h80 r270
  text "RGB" at 137.44,5922.84 h80 r270
  text "5V" at 580.71,5741.22 h80
  text "VCC" at 137.44,5725.99 h80 r270
  text "3V3" at 570.87,5541.34 h80
  text "EV3" at 118.11,5414.57 h80 r270
  text "24V" at 118.11,5217.72 h80 r270
  text "EV2" at 118.11,5020.87 h80 r270
  text "24V" at 118.11,4824.02 h80 r270
  text "EV1" at 118.11,4623.99 h80 r270
  text "FBR SIMCONEX" at 2081.63,4440.46 h120
  text "24V" at 118.11,4430.32 h80 r270
  text "PROYECTO FINAL" at 2081.63,4358.07 h100
  text "TOBIAS BAVASSO" at 2081.63,4275.67 h80
  text "SD1" at 4386.18,4265.76 h80 r90
  text "MATIAS PARDO" at 2081.63,4193.47 h80
  text "BOM4" at 118.11,4154.91 h80 r270
  text "HERNAN RODRIGUEZ" at 2081.63,4111.28 h80
  text "SD0" at 4386.18,4104.16 h80 r90
  text "24V" at 118.11,3928.61 h80 r270
  text "CLK" at 4386.18,3903.13 h80 r90
  text "BOM3" at 118.11,3761.21 h80 r270
  text "IO13" at 4386.18,3559.13 h80 r90
  text "24V" at 118.11,3534.9 h80 r270
  text "BOM2" at 118.11,3367.51 h80 r270
  text "S_VP" at 4386.18,3350.29 h80 r90
  text "S_VN" at 4386.18,3152.78 h80 r90
  text "24V" at 118.11,3141.2 h80 r270
  text "BOM1" at 118.11,2969.85 h80 r270
  text "SD2" at 4374.37,2915.22 h80 r90
  text "24V" at 118.11,2747.5 h80 r270
  text "SD3" at 4374.37,2718.37 h80 r90
  text "CMD" at 4374.37,2512.31 h80 r90
  text "NA" at 118.11,2421 h80 r270
  text "COM" at 118.11,2248.57 h80 r270
  text "NC" at 118.11,2027.3 h80 r270
  text "GND" at 151.7,102.01 h80
  text "24V" at 358.8,102.01 h80
  text "24V" at 1615.69,64.37 h80
  text "A" at 1842.58,64.37 h80
  text "B" at 2039.43,64.37 h80
  text "GND" at 2195.99,64.37 h80
  text "LED5" at 2477.06,64.37 h80
  text "24V" at 2693.44,64.37 h80
  text "LED4" at 2870.53,64.37 h80
  text "24V" at 3087.14,64.37 h80
  text "LED3" at 3264.79,64.37 h80
  text "24V" at 3480.84,64.37 h80
  text "LED2" at 3658.71,64.37 h80
  text "24V" at 3874.54,64.37 h80
  text "LED1" at 4055.6,64.37 h80
  text "24V" at 4268.24,64.37 h80
Bottom Overlay:
  drawing of 22 lines, arcs and shapes, not listed
  text "FBR SIMCONEX" at 3993.85,2010.18 h120
  text "PROYECTO FINAL" at 3993.85,1927.79 h100
  text "TOBIAS BAVASSO" at 3993.85,1845.39 h80
  text "MATIAS PARDO" at 3993.85,1763.19 h80
  text "HERNAN RODRIGUEZ" at 3993.85,1681 h80

## Text inside footprints (layer, text, board x,y; h text height)
U3: Top Overlay "IN+" at 645.06,197.95 h80 r90; Top Overlay "IN-" at 1359.06,197.95 h80 r90; Top Overlay "OUT-" at 1359.06,1489.29 h80 r90; Top Overlay "OUT+" at 645.06,1489.29 h80 r90
U4: Top Overlay "DI" at 1796.59,2340.35 h80 r270; Top Overlay "DE" at 1896.59,2340.35 h80 r270; Top Overlay "RE" at 1996.59,2340.35 h80 r270; Top Overlay "RO" at 2096.59,2340.35 h80 r270; Top Overlay "GND" at 1796.59,984.92 h80 r270; Top Overlay "A" at 1896.59,904.33 h80 r270; Top Overlay "B" at 1996.59,897.52 h80 r270; Top Overlay "VCC" at 2096.59,981.22 h80 r270
U7: Top Overlay "GND" at 2761.85,2076.57 h80 r180; Top Overlay "VCC" at 2758.15,1976.57 h80 r180; Top Overlay "MISO" at 2780.28,1876.57 h80 r180; Top Overlay "MOSI" at 2778.87,1776.57 h80 r180; Top Overlay "SCK" at 2758.97,1676.57 h80 r180; Top Overlay "CS" at 2714.12,1576.57 h80 r180
U8: Top Overlay "32K" at 1526.77,5606.24 h80 r270; Top Overlay "SQW" at 1426.77,5637.99 h80 r270; Top Overlay "SCL" at 1326.77,5614.01 h80 r270; Top Overlay "SDA" at 1226.77,5622.01 h80 r270; Top Overlay "VCC" at 1126.77,5621.34 h80 r270; Top Overlay "GND" at 1026.77,5625.04 h80 r270